# Altium PCB TestMod_SEAx.PcbDoc (part 3 of 3) (continued)
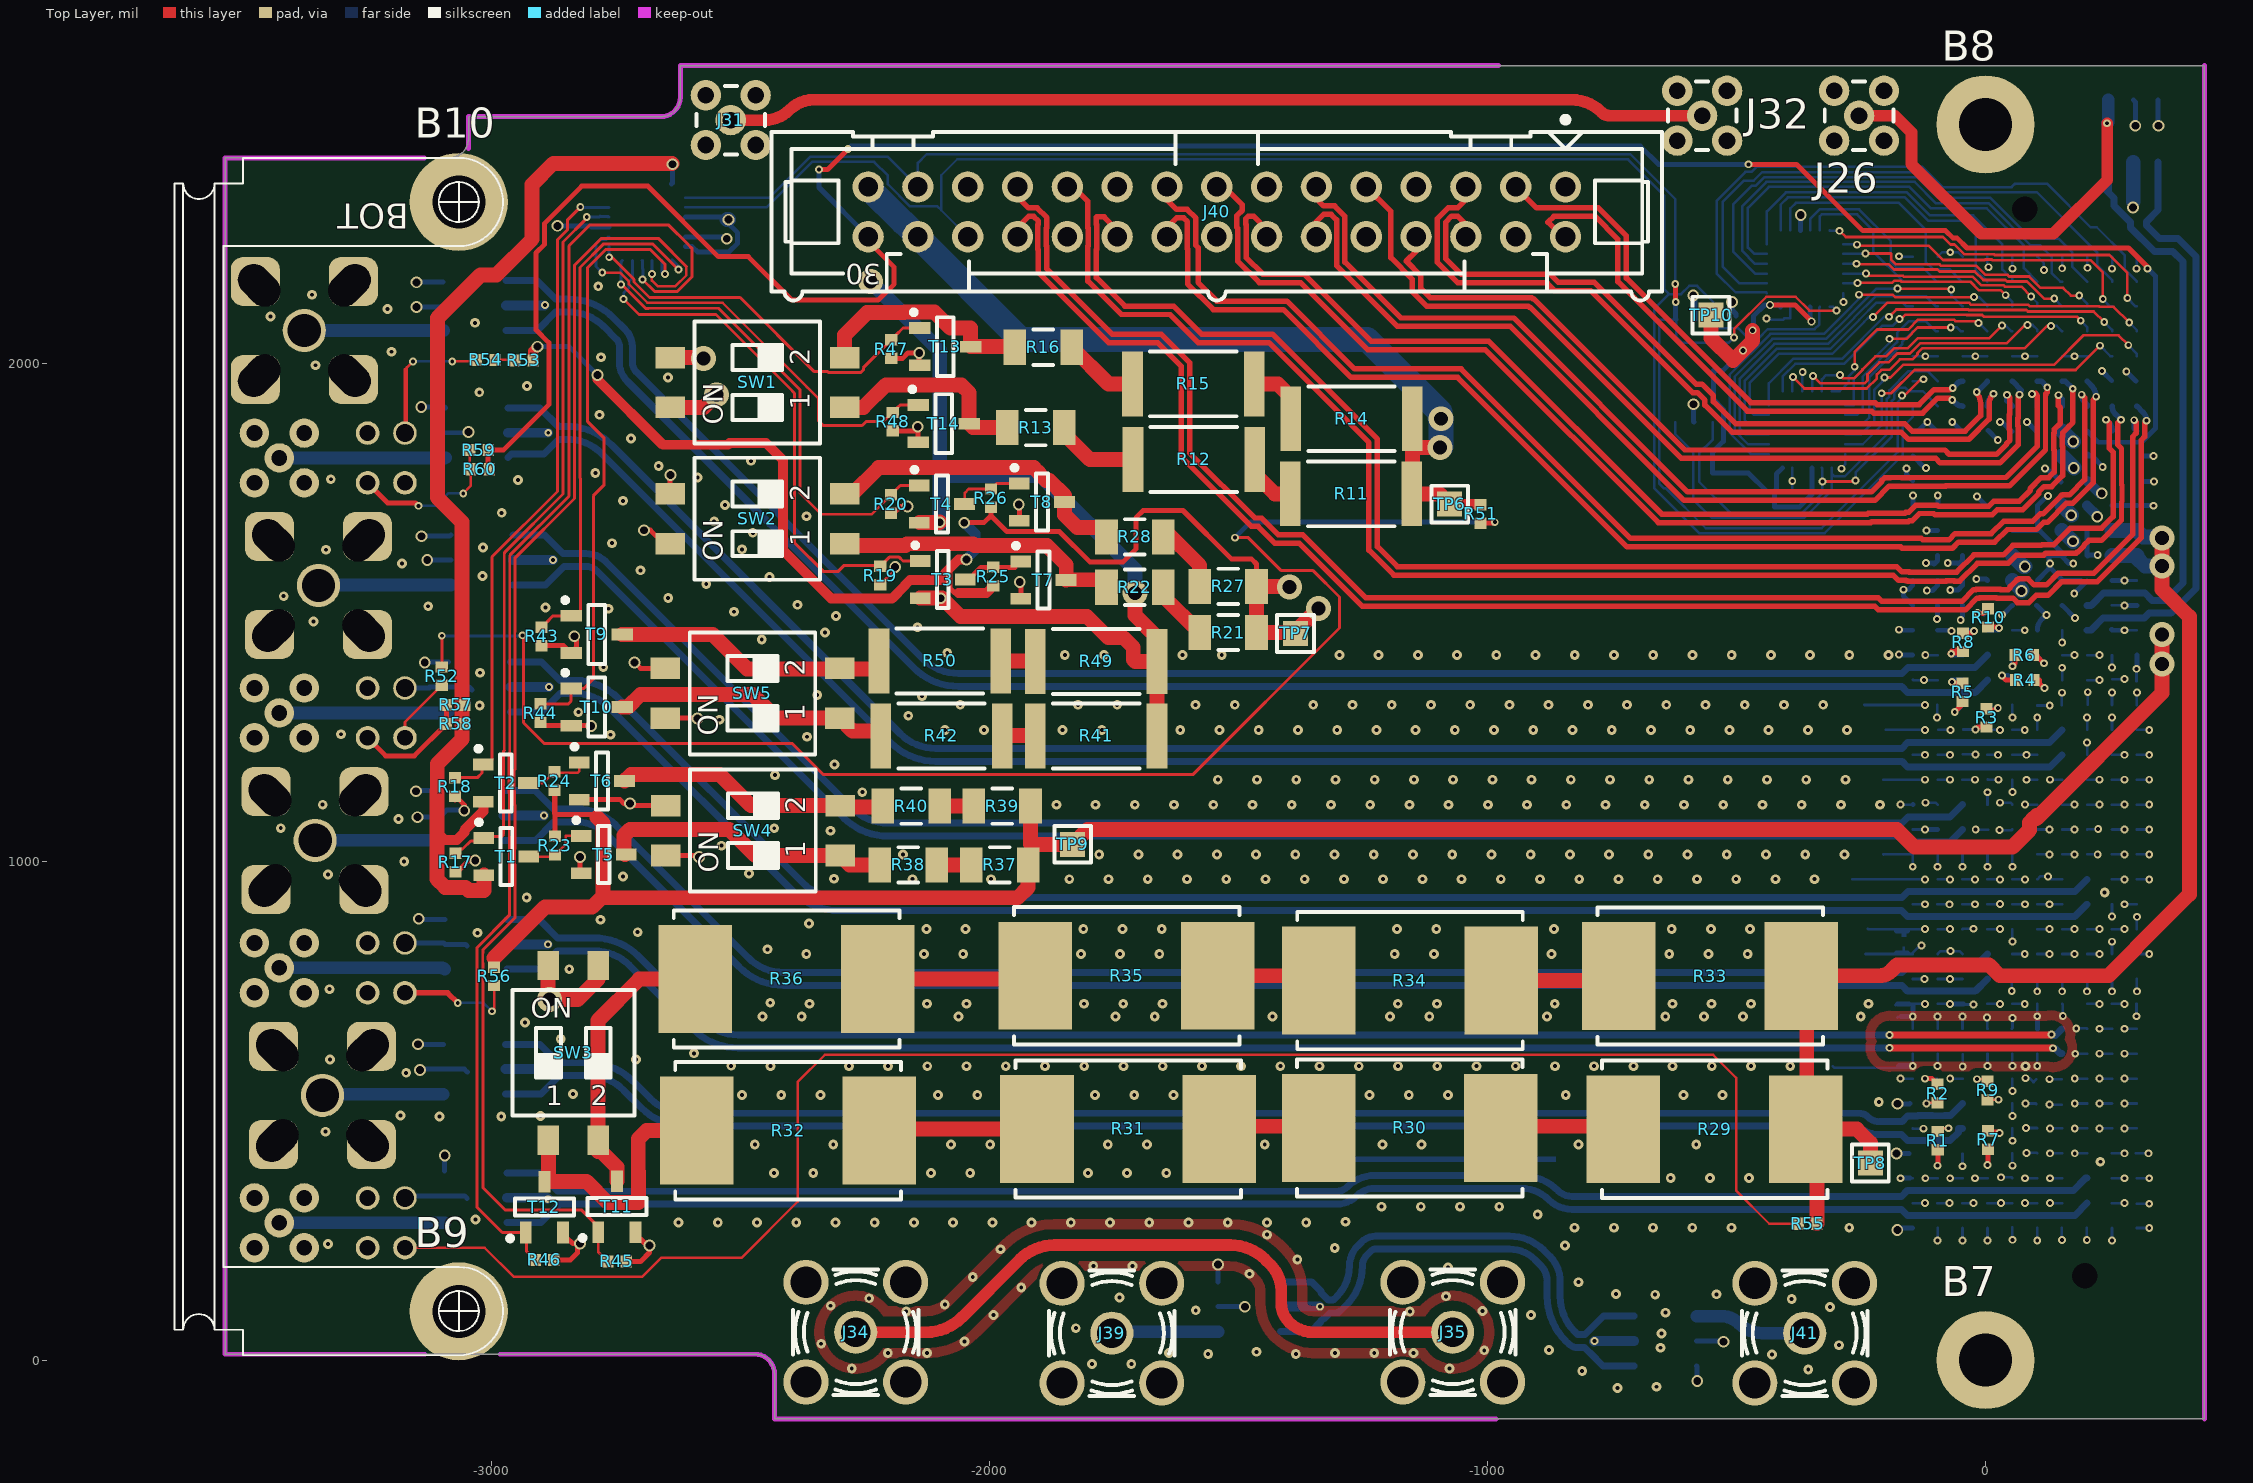
[diagram p0: Top Layer view]
## Nets (pads, with @x,y where several pads share a name; then routed paths per layer and width w, separated by ;. In a path a pad name is that pad's centre, name@x,y a point inside that pad or via, vN(x,y) a via of type N, cw(c..) or ccw(c..) an arc to the next point about the centre after c; other vN are vias at no path point) (continued)
  Top Layer w30: R50.1@-1977.36,1403.54 -1908.46,1403.54 R49.2@-1907.48,1402.56
NetR50_2: R50.2 SW5.2 T9.3 | length 550.8
  Top Layer w30: T9.3@-2737.21,1456.71 -2555.14,1456.71 -2486.22,1387.8 -2237.2,1387.8 R50.2@-2221.46,1403.54
NetR51_2: R51.2 R52.1 | length 3089.1
  Top Layer w6: R52.1@-3099,1391.5 v2(-3099,1454.05) ; v2@-2935.04,1455 -2935.04,1279.6 -2892.82,1237.38 -2394.86,1237.38 -2332.68,1175.2 -1591.54,1175.2 -1297,1469.73 -1297,1532 -1349.79,1584.79 -1413.79,1584.79 -1480,1651 v2(-1507,1651)
  Top Layer w10: R51.2@-1013.78,1680.31 -987.01,1680.31 v2(-985.24,1682.09)
  Bottom Layer w6: v2(-3099,1454.05) -2937.95,1454.05 v2(-2937,1455)
  Bottom Layer w10: v2(-1507,1651) -1475.91,1682.09 v2(-985.24,1682.09)
NetR53_2: R53.2 R54.2 | length 38.8
  Top Layer w5: R54.2@-2992.32,2007.87 R53.2@-2953.54,2007.87
P3V3: C45.2 C46.2 C47.2 IC1.4 IC2.18 IC2.21 IC2.24 IC3.21 IC3.24 IC4.21 IC4.24 IC5.4 J22.c30 J22.c31 R41.1 R49.1 R57.2 R58.2 T1.2 T2.2 T3.2 T4.2 TP10.1 | length 5483.2
  Top Layer w10: v5(-433,2118) -382.37,2118 v5(-349.63,2085.26)
  Top Layer w20: -3098.08,1049 -3093.02,1043.94 -3068.93,1043.94 -3053.81,1059.05 -3053.81,1063.68 -3015.75,1101.74 T2.2@-3015.75,1121.06
  Top Layer w30: T1.2@-3014.77,973.42 -3014.77,943 -3045.27,943 -3051.36,949.09 -3092.34,949.09 -3108.84,965.59 -3108.84,1142.17 -3108.19,1142.82 -3108.19,1196.81 -3058.61,1246.39 -3058.61,1682.16 -3107.89,1731.44 -3107.89,2092.11 -3021.5,2178.5 -2989.5,2178.5 -2917.69,2250.31 -2917.69,2360.01 -2875.13,2402.56 v3@-2636.81,2402.56 ; T4.2@-2140.36,1681.1 -2100.4,1681.1 v3(-2099.41,1682.09) ; T3.2@-2138.78,1529.53 v3(-2097.44,1529.53) -2094.55,1529.53 -2058.13,1493.11 -1804.13,1493.11 -1761.13,1450.11 -1730.11,1450.11 -1711,1431 -1711,1406.56 -1707,1402.56 R49.1@-1663.39,1402.56 ; v4(-1707.68,1539.58) -1707.68,1495.08 -1663.39,1450.79 R49.1@-1663.39,1402.56 ; R41.1@-1663.39,1252.95 R49.1@-1663.39,1402.56 ; TP10.1@-551.18,2097.82 -551.18,2051.54 -506.71,2007.07 -467.52,2046.26 v5(-467.52,2067.33)
  Bottom Layer w10: IC2.18@-2637.8,2361.22 -2636,2363.02 v3(-2636,2400.59) ; IC2.24@-2610.24,2235.24 -2596.46,2235.24 -2585.55,2224.33 -2522.82,2224.33 -2505.19,2241.97 -2505.19,2263.05 v3@-2527.57,2285.43 ; IC2.21@-2610.24,2294.29 -2536.43,2294.29 v3@-2529.04,2286.9 ; v5(-487.2,2026.57) -527.56,1986.22 IC1.4@-546.26,1986.22 -546.26,1928.51 -526.42,1908.67 -526.42,1844.45 -548.23,1822.64 IC5.4@-548.23,1780.51 -475.93,1780.51 -439.52,1744.09 C46.2@-424.21,1744.09 ; v5(-467.52,2067.33) -465.55,2069.29 C45.2@-465.55,2096.46 -444.01,2118 v5(-433,2118) -417.25,2118 -416.25,2119 IC4.24@-411.42,2114.17 ; IC3.24@-407.48,1791.34 -420,1778.82 -420,1748.31 C46.2@-424.21,1744.09 ; IC4.21@-352.36,2114.17 -352.36,2087.99 v5(-349.63,2085.26) ; IC3.21@-348.43,1791.34 -348.43,1737.95 -373.37,1713 -424.21,1713 C46.2@-424.21,1744.09
  Bottom Layer w20: J22.c30@203.74,1715.16 224.03,1694.86 v3(224.03,1692.91) ; J22.c31@203.74,1765.16 228.9,1740 v3(233,1740)
  Bottom Layer w30: v3@-2526.57,2289.37 v3(-2523.62,2289.37) ; v4(-2238.19,2165.35) -2099.41,2026.57 -2099.41,1775.59 ; v3@-2097.44,1680.12 v3(-2099.41,1682.09) -2099.41,1775.59 ; v4(-1707.68,1539.58) -1707.68,1586.82 -1896.44,1775.59 -2099.41,1775.59
P3V3_MP: J22.c33 J40.30 R59.2 R60.2 | length 4990.7
  Top Layer w10: R60.2@-3004.13,1788.39 -3006.1,1790.35 R59.2@-3006.1,1826.77 -2975.41,1826.77 -2884.13,1918.05 -2884.13,2042.43 -2909.87,2068.17 -2909.87,2222.77 -2892.69,2239.96 -2892.69,2282.16 -2818.32,2356.53 -2685.27,2356.53 -2543.9,2215.16 -2483.86,2215.16 -2396.65,2127.95 -2222.97,2127.95 -2190.94,2159.98 -2190.94,2193.9 -2243.31,2246.26 J40.30@-2243.31,2255.11 ; v2(-2342,2390) -2324.58,2390 v2(-2283.46,2431.12) ; v2(-476,2400.5) -379.5,2400.5 -246.35,2267.35 -80.35,2267.35 -65.18,2252.18 -57.18,2252.18 -37.48,2232.48 286.89,2232.48 325,2194.37 v2(325,2191)
  Bottom Layer w10: v2(-2342,2390) -2342,2353.81 J40.30@-2243.31,2255.11 ; v2(-2283.46,2431.12) -2277.58,2437 -693,2437 -656.5,2400.5 v2(-476,2400.5) ; J22.c33@203.74,1865.16 226.34,1842.56 313.1,1842.56 341.09,1870.55 341.09,2175.91 v2@325,2192
P6V0A: J22.a28 J22.a29 J22.b28 J22.b29 R29.1 R33.1 R55.2 TP8.1 | length 2500.9
  Top Layer w30: R55.2@-338.78,273.82 -338.78,438.19 R29.1@-364.17,463.58 ; TP8.1@-231.3,395.67 -231.3,436.4 -258.48,463.58 R29.1@-360.93,463.58 R29.1@-364.17,463.58 ; v4@354.33,1638.78 v4(354.33,1594.49) 354.33,1547.1 409,1492.43 409,935.03 300.67,826.7 300.67,825.45 246.87,771.65 28.57,771.65 7.19,793.03 -177.97,793.03 -188.98,782.02 cw(c-214,807.03) -214,771.65 -365.16,771.65 -359,765.5 -359,468.76 R29.1@-364.17,463.58
  Bottom Layer w30: J22.b28@253.74,1615.16 J22.a28@303.74,1615.16 303.74,1610.3 319.55,1594.49 v4(354.33,1594.49) ; J22.b29@253.74,1665.16 J22.a29@303.74,1665.16 316.34,1652.56 v4@354.33,1652.56
  other v4: 354.33,1650.65
P12V0A: J22.d29 J22.d30 J40.28 J40.29 R11.1 R14.1 R51.1 TP6.1 | length 1821.2
  Top Layer w20: TP6.1@-1075.79,1718.5 -1016.63,1718.5 cw(c-1016.63,1714.47) R51.1@-1013.78,1717.32
  Top Layer w30: R14.1@-1150.59,1889.76 R14.1@-1150.59,1844.43 ; v4(-1095.47,1831.69) -1137.85,1831.69 R14.1@-1150.59,1844.43 ; TP6.1@-1075.79,1718.5 -1096.26,1738.98 R11.1@-1151.57,1738.98 -1150.59,1739.96 R14.1@-1150.59,1844.43
  Bottom Layer w30: J22.d29@153.74,1665.16 v3(175.2,1643.7) ; J22.d30@153.74,1715.16 172,1696.9 v3(172,1696)
  Bottom Layer w50: J40.29@-2243.31,2355.11 -2243.31,2354 -2172.92,2283.62 -2171.81,2283.62 J40.28@-2143.31,2255.11 -1937.19,2049 -1241.43,2049 -1095.47,1903.05 -1095.47,1891.73 v4(-1093.5,1889.76) v4@-1093.5,1833.66
SCL1: IC1.1 IC2.19 IC4.19 J22.k35 J40.27 | length 3957.2
  Top Layer w5: v2(-505,2053) -505,2069.74 -440.37,2134.37 -381.07,2134.37 -353.69,2107 v2(-299,2107)
  Top Layer w5.3: v2(-167.57,1936.3) -163.11,1936.3 -130.41,1969 v2(-125,1969)
  Top Layer w10: v2(-623.03,2160.43) -622.05,2159.45 v2(-622.05,2124.34)
  Bottom Layer w5: IC2.19@-2610.24,2333.66 -2441.48,2333.66 -2359.77,2415.37 -2203.57,2415.37 J40.27@-2143.31,2355.11 -2143.31,2403.19 -2125.88,2420.62 -713.01,2420.62 -623.03,2330.64 v2(-623.03,2160.43) ; v2(-505,2053) -516.05,2041.95 -607.9,2041.95 -621.06,2055.12 IC1.1@-621.06,2088.58 -655,2088.58 -655,1759.07 -646.42,1750.49 -642.34,1750.49 -561.85,1670 -329.16,1670 -176.36,1822.8 -176.36,1923.24 -167.57,1932.03 v2(-167.57,1936.3) ; IC4.19@-312.99,2114.17 -306.17,2114.17 v2(-299,2107) ; J22.k35@-146.26,1965.16 -128.84,1965.16 v2(-125,1969)
  Bottom Layer w10: v2(-622.05,2124.34) -622.05,2089.57 IC1.1@-621.06,2088.58
SCL2: IC3.19 IC5.1 J22.j35 | length 891.7
  Bottom Layer w5: IC5.1@-623.03,1882.87 -623.03,1859.25 -587.06,1823.28 -587.06,1727.81 -549.75,1690.5 -364.05,1690.5 -309.06,1745.5 IC3.19@-309.06,1780.06 ; IC3.19@-309.06,1791.34 IC3.19@-309.06,1780.06 ; J22.j35@-96.26,1965.16 -116.36,1985.26 -154.59,1985.26 -193.25,1946.59 -193.25,1934.63 -198.21,1929.67 -198.21,1858.65 -282.77,1774.08 -303.08,1774.08 IC3.19@-309.06,1780.06
SDA1: IC1.3 IC2.20 IC4.20 J22.k34 J40.26 | length 3981.1
  Bottom Layer w5: IC2.20@-2610.24,2313.98 -2447.02,2313.98 -2355.63,2405.37 -2231.37,2405.37 -2203.74,2377.74 -2203.74,2360.4 -2159.46,2316.12 -2104.31,2316.12 -2096.46,2308.27 ; J40.26@-2043.31,2255.11 -2096.46,2308.27 ; IC4.20@-332.68,2114.17 -333.82,2113.03 -333.82,2079.32 -343.26,2069.88 -437.26,2069.88 -455.19,2051.95 -476.95,2051.95 -496.74,2071.74 -542.74,2071.74 -546.26,2075.26 IC1.3@-546.26,2088.58 -546.26,2123.57 -579,2156.31 -595,2156.31 -611.31,2140 -635.73,2140 ; J22.k34@-146.26,1915.16 -146.26,1893.58 -166.36,1873.48 -166.36,1816.64 -323,1660 -575.11,1660 -665,1749.89 -665,2110.73 -635.73,2140 ; -2096.46,2308.27 -2096.46,2378.54 -2064.38,2410.62 -717.15,2410.62 -717.15,2409.2 -644.69,2336.74 -644.69,2148.96 -635.73,2140
SDA2: IC3.20 IC5.3 J22.j34 | length 853.7
  Top Layer w5.3: v2(-327.76,1763.78) -263.22,1763.78 v2(-261,1766)
  Bottom Layer w5: IC5.3@-548.23,1882.87 -548.23,1847.44 -575,1820.67 -575,1763.21 -512.29,1700.5 -368.2,1700.5 -327.76,1740.94 v2(-327.76,1763.78) -327.76,1790.35 IC3.20@-328.74,1791.34 ; v2(-261,1766) -261,1781.72 -188.21,1854.51 -188.21,1925.53 -183.25,1930.49 -183.25,1942.36 -173.94,1951.67 -161.2,1951.67 -154.59,1945.06 -126.16,1945.06 J22.j34@-96.26,1915.16
SW1: IC2.1 R43.1 T9.1 | length 1047
  Top Layer w6: R43.1@-2898.62,1471.28 -2897.84,1471.28 -2889.42,1479.7 -2889.42,1480.48 -2875.79,1494.11 -2830.08,1494.11 -2820.84,1503.35 -2820.84,1769.83 -2821.61,1770.61 -2821.61,2193.4 -2774.13,2240.87 -2675.87,2240.87 v2(-2624,2189)
  Bottom Layer w6: IC2.1@-2637.8,2207.68 -2636.81,2208.66 -2624,2195.85 v2(-2624,2189)
SW2: IC2.2 R44.1 T10.1 | length 1228
  Top Layer w6: R44.1@-2901,1317.5 -2844.92,1317.5 -2839.57,1322.85 T10.1@-2839.57,1348.44 -2813.96,1348.44 -2795,1367.4 -2795,1735 -2773,1757 -2773,1850.73 -2806.23,1883.96 -2806.23,2193.22 -2769.58,2229.87 -2680.87,2229.87 -2651,2200 v2(-2651,2180.2)
  Bottom Layer w6: IC2.2@-2657.48,2207.68 -2657.48,2183.59 -2651.57,2177.68 v2(-2651,2180.2)
SW3: IC2.3 R45.1 T11.1 | length 2686.7
  Top Layer w5: v2(-2677.17,2180.12) -2677.17,2167.17 -2666,2156 -2630,2156 -2608.13,2177.87 -2608.13,2195.58
  Top Layer w5.3: -3016.75,797.21 -3016.75,816.96
  Top Layer w5.35: -2952.56,995.38 -2952.56,1026.28
  Top Layer w5.37: -2952.56,1448.11 -2952.56,1461.89
  Top Layer w6: -3016.75,797.21 -3016.75,346.75 -2971,301 -2818,301 -2784.98,267.98 T11.1@-2784.98,257.13 -2784.98,216.98 R45.1@-2766.08,198.08 ; -3016.75,816.96 -3016.75,823.4 -2952.56,887.59 -2952.56,995.38 ; -2952.56,1026.28 -2952.56,1114 -2953.04,1114.48 -2953.04,1142.51 -2953.87,1143.34 -2953.87,1184.69 -2952.56,1186 -2952.56,1448.11 ; -2952.56,1461.89 -2952.56,1609.91 -2832.61,1729.86 -2832.61,2197.95 -2778.69,2251.87 -2664.42,2251.87 -2608.13,2195.58 ; T11.1@-2784.45,257.56 T11.1@-2780.93,254.05
  Bottom Layer w6: v2(-2677.17,2180.12) IC2.3@-2677.17,2207.68
SW4: IC2.4 R46.1 T12.1 | length 2691
  Top Layer w5.05: -2963.56,1050.84 -2963.56,1138.15 -2964.39,1138.98 -2964.39,1217.49 -2963.08,1218.8 -2963.08,1614.24 -2961.39,1615.94 -2961.39,1616.64
  Top Layer w5.92: v2(-2696,2169.4) -2672.14,2145.54 -2625.67,2145.54 -2597.17,2174.04 -2597.17,2231.95 -2604,2238.78
  Top Layer w6: -2963.56,1050.84 -2963.56,892.86 -3028.86,827.56 -3028.86,307.4 -2977.6,256.15 T12.1@-2930.45,256.15 -2929,254.7 -2929,218.48 R46.1@-2911.55,201.03 ; -2961.39,1616.64 -2843.61,1734.42 -2843.61,2236.94 -2801.42,2279.13 -2644.35,2279.13 -2604,2238.78
  Bottom Layer w6: IC2.4@-2696.85,2207.68 -2695.74,2206.57 -2695.74,2190.65 -2694.88,2189.79 -2694.88,2170.51 v2(-2696,2169.4)
SW5: IC2.5 R19.1 T3.1 | length 1097.6
  Top Layer w5.61: v2(-2734,2130) -2702.83,2098.83 -2548.95,2098.83 -2396.28,1946.16
  Top Layer w6: -2396.28,1946.16 -2390.8,1940.69 -2390.8,1640.92 -2332.58,1582.69 -2304,1582.69 -2291.22,1595.47 -2217.03,1595.47 -2200.69,1611.81 -2180.79,1611.81 -2173.31,1604.33 T3.1@-2138.78,1604.33
  Bottom Layer w5.61: v2(-2734,2130) -2734,2141.83 -2723.32,2152.51 -2723.32,2165.38 -2716.54,2172.17
  Bottom Layer w6: -2716.54,2172.17 IC2.5@-2716.54,2207.68
SW6: IC2.6 R20.1 T4.1 | length 985.3
  Top Layer w5.61: -2684.53,2111.47 -2543.47,2111.47 -2380,1948 -2380,1741 -2336.83,1697.83 -2236.61,1697.83 R20.1@-2197.44,1737.01
  Top Layer w6: v2(-2739,2159) -2737.85,2159 -2690.32,2111.47 -2684.53,2111.47 ; R20.1@-2197.44,1737.01 -2196.65,1737.01 -2188.24,1745.42 -2188.24,1746.21 -2178.54,1755.9 T4.1@-2140.36,1755.9
  Bottom Layer w6: v2(-2739,2159) -2739,2204.9 IC2.6@-2736.22,2207.68
SW7: IC2.7 R47.1 T13.1 | length 783.7
  Top Layer w6: v2(-2763,2214) -2757.41,2214 -2713.13,2169.72 -2713.13,2164.08 -2682.09,2133.04 -2500.04,2133.04 -2351.29,1984.29 -2324.54,1984.29 -2323.2,1982.94 -2257.51,1982.94 -2252.83,1987.63 -2252.83,1992.06 R47.1@-2196.85,2048.03 -2196.06,2048.03 -2187.65,2056.45 -2187.65,2057.24 -2173.03,2071.85 T13.1@-2139.76,2071.85
  Bottom Layer w6: IC2.7@-2763.78,2235.24 -2763,2234.46 v2(-2763,2214)
SW8: IC2.8 R48.1 T14.1 | length 903.3
  Top Layer w5: v2(-2777,2183) -2741.26,2183 -2723.63,2165.37 -2723.63,2159.73 -2686.44,2122.54 -2535.2,2122.54 -2366.02,1953.36
  Top Layer w6: -2366.02,1953.36 -2343,1930.34 -2343,1885.43 -2333.57,1876 -2255.29,1876 -2247,1884.29 -2212.76,1884.29 -2194.69,1902.36 R48.1@-2193.9,1902.36 -2193.11,1902.36 -2184.7,1910.78 -2184.7,1911.57 -2178.94,1917.32 T14.1@-2142.72,1917.32
  Bottom Layer w6: v2(-2777,2183) -2789.5,2195.5 -2789.5,2241 -2781.35,2249.14 -2769.56,2249.14 IC2.8@-2763.78,2254.92
SW9: IC2.10 R17.1 T1.1 | length 1466.7
  Top Layer w5: -2973.61,1223.87 -2973.23,1224.24 -2973.23,1618.94 -2972.85,1619.32
  Top Layer w6: R17.1@-3071.85,1017.52 -3063.44,1025.94 -3057.33,1025.94 -3040.92,1042.35 -3020.65,1042.35 T1.1@-3014.77,1048.23 -3012.28,1050.71 -2979.95,1050.71 -2974.92,1055.75 -2974.92,1222.56 -2973.61,1223.87 ; -2972.85,1619.32 -2972.85,1621.55 -2855.87,1738.53 -2855.87,2244.55 -2808,2292.43 v2(-2808,2295)
  Bottom Layer w6: v2(-2808,2295) -2782.93,2295 -2781.67,2296.26 -2780.81,2295.4 -2764.89,2295.4 IC2.10@-2763.78,2294.29
SW10: IC2.11 R18.1 T2.1 | length 1338.7
  Top Layer w6: R18.1@-3072.84,1169.09 -3027.76,1169.09 -3018.28,1178.57 -3018.28,1193.33 T2.1@-3015.75,1195.86 -3006.89,1195.86 -2998.08,1204.68 -2998.08,1612.59 -2866.87,1743.79 -2866.87,2249.11 -2847.19,2268.79 -2847.19,2288.28 v2(-2821,2314.47)
  Bottom Layer w6: v2(-2821,2314.47) -2820.51,2313.98 IC2.11@-2763.78,2313.98
TEST_SMA_N: C25.1 C44.1 TR21.6 TR22.4 | length 952.8
  Bottom Layer w14: TR21.6@-1415.75,157.28 -1353,157.28 -1334.61,138.9 -1334.61,135.9 -1319,120.28 -1310,120.28 -1302.26,128.03 ccw(c-1363.23,189) -1277,189 cw(c-1219.62,189) -1260.19,229.58 -1252.38,237.38 cw(c-1224.34,209.34) -1224.34,249 -955.7,249 cw(c-955.7,151.3) -886.62,220.38 -875.05,208.82 cw(c-925.87,158) -854,158 -854,127.81 ccw(c-754,127.81) -824.71,57.1 -819,51.39 -803.9,51.39 -766.9,88.39 TR22.4@-705.32,88.39
TEST_SMA_P: C23.1 C24.1 TR21.4 TR22.6 | length 962.7
  Bottom Layer w14: TR21.4@-1415.75,57.28 -1354.43,57.28 -1334.61,77.1 -1334.61,78.67 -1329.28,84 -1326.89,84 -1316.6,94.28 -1310,94.28 ; -1299.23,94.28 -1310,94.28 ; TR22.6@-705.32,-11.61 -767.67,-11.61 -794.67,15.39 -795.11,15.39 -805.11,25.39 -819,25.39 cw(c-819,51.39) -837.38,33 -843.1,38.71 cw(c-754,127.81) -880,127.81 -880,158 ccw(c-925.87,158) -893.44,190.44 -905,202 ccw(c-955.7,151.3) -955.7,223 -1224.34,223 ccw(c-1224.34,209.34) -1234,219 -1241.81,211.19 ccw(c-1219.62,189) -1251,189 cw(c-1363.23,189) -1283.87,109.64 -1291.62,101.9 cw(c-1310,120.28) -1310,94.28
VCM1: J22.f30
VCM2: J22.g29
pads on no net: IC1.5 IC2.12 IC2.13 IC2.14 IC2.15 IC2.16 IC2.17 IC2.22 IC2.25 IC3.22 IC3.25 IC4.22 IC4.25 IC5.5 J22.1 J22.2 J22.b31 J22.b32 J22.e31 J22.e32 J22.f32 J22.g28 J22.h29 J22.h30 J22.k28 J22.k29 LD3.2 LD5.2

## Polygon pours and split planes (outlines as drawn)
GND on Bottom Layer "Bottom Layer-GND" (solid, pour order 191): 22 vertices, not listed, extent -1229.32,288.78 -910.66,297.95
GND on Bottom Layer "Bottom Layer-GND 1" (solid, remove dead copper, pour order 189): 798 vertices, not listed, extent -3494.55,-66.49 256.49,432.74
GND on Bottom Layer "Bottom Layer-GND 2" (solid, remove dead copper, pour order 187): 406 vertices, not listed, extent -3421.83,393.51 6.49,688.84
GND on Bottom Layer "Bottom Layer-GND 3" (solid, pour order 185): -2918.8,584.23 -2919.44,583.97 -2918.3,583.49 -2917.57,582.94 -2917.54,582.97
GND on Bottom Layer "Bottom Layer-GND 4" (solid, pour order 183): 168 vertices, not listed, extent 84.15,562.49 206.49,717.83
GND on Bottom Layer "Bottom Layer-GND 5" (solid, remove dead copper, pour order 181): 268 vertices, not listed, extent -3494.55,579.15 -145.15,939.6
GND on Bottom Layer "Bottom Layer-GND 6" (solid, remove dead copper, pour order 179): 694 vertices, not listed, extent -3494.55,693.51 256.49,1456.14
GND on Bottom Layer "Bottom Layer-GND 7" (solid, remove dead copper, pour order 177): 667 vertices, not listed, extent -3494.55,992.95 206.49,1966.51
GND on Bottom Layer "Bottom Layer-GND 8" (solid, remove dead copper, pour order 175): 396 vertices, not listed, extent -3458.28,1293.51 56.49,2221.87
GND on Bottom Layer "Bottom Layer-No Net" (solid, pour order 69): -3494.32,2216.18 -3066.82,2216.18 -3066.82,2369.63 -3494.32,2369.63
GND on Bottom Layer "Bottom Layer-No Net" (solid, pour order 67): -3487.83,17.63 -3058.33,17.63 -3058.33,173.18 -3487.83,173.18
GND on Top Layer "Top Layer-GND" (solid, pour order 173): 329 vertices, not listed, extent -2351.25,-27.15 -986.63,283.05
GND on Top Layer "Top Layer-GND 1" (solid, pour order 171): 160 vertices, not listed, extent -240.85,578.15 183.43,701.94
GND on GND (split plane): 61 vertices, not listed, extent -3513.9,-98.01 418.88,2578.33
GND on Power (split plane): 123 vertices, not listed, extent -3513.9,-98.01 418.88,2578.33
P3V3 on Power (split plane): 79 vertices, not listed, extent -2967.34,1642.72 338.9,2578.33
N6V0A on Power (split plane): 25 vertices, not listed, extent 46.36,1363.37 383.04,1609.08
P12V0A on Power (split plane): 32 vertices, not listed, extent -1138.21,1622.3 198.64,1927.97
N12V0A on Power (split plane): 37 vertices, not listed, extent -1471.28,1481.48 212.74,2032.81

## Keep-outs
Keep-Out Layer:
  lines w10: -3134,2413.39 -3534,2413.39 -3534,11.81 -3132.32,11.81 ; -3045.28,2432.6 -3045.28,2496.06 -2659.45,2496.06 ccw(c-2659.45,2535.43) -2620.08,2535.43 -2620.08,2598.42 -977.32,2598.42 ; -2982,11.81 -2470.47,11.81 cw(c-2470.47,-27.56) -2431.1,-27.56 -2431.1,-118.11 -982.32,-118.11 ; 438.97,-118.11 438.97,2598.42

## Other copper
Top Layer:
  pour cut-out: 268 vertices and 0 holes, not listed, extent -2331.38,-7.28 -1006.5,263
  pour cut-out: 133.92,681.51 135.88,681.51 138.95,680.9 141.91,679.67 146.11,677.94 148.71,676.2 151.45,673.45 154.2,670.71 155.94,668.11 157.16,665.14 158.9,660.95 159.51,657.88 159.51,654 159.51,650.12 158.9,647.05 157.67,644.09 157.3,643.19 157.77,642.71 159.52,640.11 160.74,637.14 162.48,632.95 163.09,629.88 163.09,626 163.09,622.12 162.48,619.05 161.25,616.09 159.52,611.89 157.77,609.29 155.03,606.55 152.29,603.8 149.69,602.06 146.72,600.84 142.53,599.1 139.46,598.49 135.58,598.49 131.7,598.49 128.63,599.1 126.46,600 -186.56,600 -189.12,599.49 -193,599.49 -196.88,599.49 -199.95,600.1 -202.91,601.33 -207.11,603.06 -209.71,604.8 -212.45,607.55 -215.2,610.29 -216.94,612.89 -218.16,615.86 -219.9,620.05 -220.51,623.12 -220.51,627 -220.51,630.88 -219.9,633.95 -218.67,636.91 -218.52,637.29 -217.4,640 -218.16,641.86 -219.9,646.05 -220.51,649.12 -220.51,653 -220.51,656.88 -219.9,659.95 -218.67,662.91 -216.94,667.11 -215.2,669.71 -212.45,672.45 -209.71,675.2 -207.11,676.94 -204.14,678.16 -199.95,679.9 -196.88,680.51 -194.92,680.51 -193,680.89 -191.08,680.51 -189.12,680.51 -186.56,680 122.88,680 125.05,680.9 128.12,681.51 130.08,681.51 132,681.89
  text "BOT" at 804.13,2538.39 h40 r180
Bottom Layer:
  drawing of 23 lines, arcs and shapes, not listed
  text "TOP" at 797.24,2432.09 h50
Power (plane layer: these items are gaps in the copper):
  lines w10: -3064.83,2380.99 -3057,2388.82 -3057,2454.81 -3029.95,2481.86 -2972.44,2481.86 -2972.44,2198.43 -2859.65,2085.63 -2239.17,2085.63 -2179.69,2145.12 -1259.29,2145.12 -1161.52,2047.34 -1161.52,2037.91 ; -390,2596 -390,2421 -348,2379 -144,2379 -64,2299 109,2299 188,2378 320,2378 344,2354 344,1694 ; 189.29,1745.15 203.74,1730.7 203.74,1635.51 185.42,1617.2 139.5,1617.2 120.5,1636.2 -738.56,1636.2 -886.9,1784.54 -1143.31,1784.54 ; 198.64,1637.62 288.8,1637.62 344.09,1692.91 ; 257,1448 193.4,1448 ; -1161.52,2037.91 -1476.38,1723.05 -1476.38,1502.95 -1449.8,1476.38 -1279.53,1476.38 -1143.31,1612.6 -1143.31,1784.54 ; -1161.52,2037.91 -829.25,2037.91 -629.92,1838.58 -240.52,1838.58 -191.4,1789.46 58.16,1789.46 138.78,1870.08 198.82,1870.08 217.84,1851.06 217.84,1779.26 189.29,1750.71 189.29,1752 125.58,1752 79.28,1705.71 -661.42,1705.71 -888.78,1933.07 -913.39,1933.07 -1143.31,1933.07 -1143.31,1784.54 ; 193.4,1448 293,1448 332,1487 378,1487 388.13,1476.87 388.13,1442.26 388.13,1385.13 361.27,1358.27 206.73,1358.27 100,1465 53,1465 41.26,1476.74 41.26,1614.17 90.83,1614.17 149,1556 149,1492.4 193.4,1448

## Silkscreen, mask and mechanical layers (free items; w line width, h text height)
Top Overlay:
  circle w3.94: c-3064.96,98.43 r40.35
  circle w3.94: c-3064.96,2324.8 r40.35
  lines w3.94: -3537.4,187.01 -3064.96,187.01 cw(c-3064.96,98.43) -3064.96,9.84 -3498.03,9.84 -3498.03,61.02 -3555.12,61.02 ; -3537.4,187.99 -3537.4,2235.24 ; -3537.4,2236.22 -3064.96,2236.22 ccw(c-3064.96,2324.8) -3064.96,2413.39 -3498.03,2413.39 -3498.03,2362.21 -3555.12,2362.21 ; -3104.33,98.43 -3025.59,98.43 ; -3104.33,2324.8 -3025.59,2324.8 ; -3064.96,59.06 -3064.96,137.8 ; -3064.96,2285.43 -3064.96,2364.17 ; -3618.11,61.02 cw(c-3586.61,61.02) -3555.12,61.02 ; -3618.11,61.02 -3618.11,2362.21 ; -3618.11,61.02 -3635.83,61.02 -3635.83,2362.21 -3618.11,2362.21 ; -3618.11,2362.21 ccw(c-3586.61,2362.21) -3555.12,2362.21 ; -3555.12,61.02 -3555.12,2362.21
  text "BOT" at -3164.96,2321.43 h50 r180
Top Solder:
  lines w40: -2535,2494 -2433.46,2494 ccw(c-2433.46,2555.46) -2390,2512 cw(c-2353.79,2475.79) -2353.79,2527 -816.28,2527 cw(c-816.28,2458.72) -768,2507 ccw(c-753.51,2521.49) -753.51,2501 -627.41,2501 cw(c-627.41,2497.59) -625,2500 ; -634,2500 -587.41,2500 ccw(c-587.41,2503.41) -585,2501 ; -258.87,2495 -195.56,2495 cw(c-195.56,2457.44) -169,2484 -144.07,2459.07 cw(c-161.14,2442) -137,2442 ccw(c-112.86,2442) -129.93,2424.93 -56,2351 ccw(c-53.59,2353.41) -53.59,2350 20,2350 ccw(c20,2470.71) 105.36,2385.36 139,2419
  lines w50: -203,641 135.41,641 cw(c135.41,640.76) 135.58,640.93
Bottom Solder:
  rectangle: 328.54,2417 418,2535
  rectangle: -1424,50 -1353,162
  rectangle: -766,-17 -707,99
  rectangle: -2997,262.56 -2912,392
  rectangle: -2995.63,519.56 -2910.63,649
  rectangle: -2992,771.56 -2907,901
  rectangle: -2996,1028.56 -2911,1158
  rectangle: -2984,1285.56 -2899,1415
  rectangle: -2979,1543.56 -2894,1673
  rectangle: -2994,2052.56 -2909,2182
  rectangle: -2989,1797.56 -2904,1927
  region: -3487.32,2405.63 -3487.32,2230.63 -3072.32,2230.63 -3072.32,2405.63
  region: -3487.32,190.63 -3487.32,15.63 -3072.32,15.63 -3072.32,190.63
  lines w50: 334,1515 357.82,1515 ; 357.82,1525 ccw(c357.82,1573.73) 392.27,1539.27 ; 368,1515 400,1547 ccw(c380.69,1566.31) 408,1566.31 408,2442.86 ccw(c373.86,2442.86) 398,2467
  lines w78.74: -2782.87,1831.05 -2201.17,1249.36 ccw(c-2115.82,1334.71) -2115.82,1214 -206.41,1214 cw(c-206.41,1210.59) -204,1213 ; -2602.38,1865.38 -2135.36,1398.36 ccw(c-2050,1483.71) -2050,1363 -196,1363 ; -2554,640 -336.21,640 ; -2396,763 -203.41,763 ccw(c-203.41,766.41) -201,764 ; -2278,916 -192,916 ; -2159,1067 -199,1067 ; -697.32,314 -198,314 ; -351,641 -192.91,641 ; -221.41,464 cw(c-221.41,460.59) -219,463
  lines w80: -2982,583 -2816,583 cw(c-2816,462.29) -2730.64,547.64 -2702.36,519.36 ccw(c-2617,604.71) -2617,484 -258.21,484 cw(c-258.21,432.79) -222,469 ccw(c-219.59,471.41) -219.59,468 ; -2981,2118 -2849.84,2118 cw(c-2849.84,1997.29) -2764.49,2082.64 cw(c-2840.5,2006.63) -2733,2006.63 ccw(c-2704.93,2006.63) -2724.78,1986.78 -2615,1877 ; -2977,1862 -2863.82,1862 cw(c-2863.82,1741.29) -2778.46,1826.64 -2716,1764.18 ; -2967,1096 -2840,1096 cw(c-2840,975.29) -2754.64,1060.64 -2492.36,798.36 ccw(c-2407,883.71) -2407,763 -2379,763 ; -2955,1352 -2836,1352 cw(c-2836,1231.29) -2750.64,1316.64 -2385.36,951.36 ccw(c-2300,1036.71) -2300,916 -2199,916 ; -2950,834.73 -2797.73,834.73 cw(c-2797.73,714.02) -2712.38,799.38 -2570.4,657.4 ; -2948,1608 -2845,1608 cw(c-2845,1487.29) -2759.64,1572.64 -2289.28,1102.28 ccw(c-2203.93,1187.64) -2203.93,1066.93 -2022.17,1066.93 ccw(c-2022.17,1067.17) -2022,1067 ; -2947,330 ccw(c-2936.35,340.65) -2936.35,325.59 -1314.52,325.59 ccw(c-1314.52,405.52) -1258,349 cw(c-1231.44,322.44) -1231.44,360 -891.22,360 -845.22,314 -700,314 ; -1419,108 -1348.36,108 ccw(c-1348.36,193.36) -1288,133 ccw(c-1324.21,169.21) -1273,169.21 cw(c-1201.09,169.21) -1251.94,220.06 cw(c-1191.73,159.86) -1191.73,245 -966,245 cw(c-966,124.29) -880.64,209.64 cw(c-930.49,159.8) -860,159.8 -860,124.36 ccw(c-774.64,124.36) -835,64 ccw(c-781.89,117.11) -781.89,42 -730,42
Mechanical 1:
  the board outline again, w5
Mechanical 8:
  circle w3.94: c-3064.96,98.42 r53.15
  circle w3.94: c-3064.96,2324.8 r53.15
  circle w3.94: c-3064.96,155.51 r53.15
  circle w3.94: c-3064.96,2381.89 r53.15
  circle w3.94: c0,0 r53.15
  circle w3.94: c0,2480.31 r53.15
  circle w3.94: c-41.34,169.29 r25.59
  circle w3.94: c0,0 r114.17
  circle w3.94: c0,2480.31 r114.17
  circle w3.94: c78.74,2311.02 r25.59
  lines w3.94: -3104.33,98.42 -3064.96,98.42 ; -3104.33,155.51 -3064.96,155.51 ; -3104.33,2324.8 -3064.96,2324.8 ; -3104.33,2381.89 -3064.96,2381.89 ; -3064.96,59.05 -3064.96,98.42 ; -3064.96,116.14 -3064.96,155.51 ; -3064.96,137.79 -3064.96,98.42 ; -3064.96,194.88 -3064.96,155.51 ; -3064.96,2285.43 -3064.96,2324.8 ; -3064.96,2342.52 -3064.96,2381.89 ; -3064.96,2364.17 -3064.96,2324.8 ; -3064.96,2421.26 -3064.96,2381.89 ; -3025.59,98.42 -3064.96,98.42 ; -3025.59,155.51 -3064.96,155.51 ; -3025.59,2324.8 -3064.96,2324.8 ; -3025.59,2381.89 -3064.96,2381.89 ; -80.71,169.29 -41.34,169.29 ; -41.34,129.92 -41.34,169.29 ; -41.34,208.66 -41.34,169.29 ; -39.37,0 0,0 ; -39.37,2480.31 0,2480.31 ; -1.97,169.29 -41.34,169.29 ; 0,-39.37 0,0 ; 0,39.37 0,0 ; 0,2440.94 0,2480.31 ; 0,2519.68 0,2480.31 ; 39.37,0 0,0 ; 39.37,2311.02 78.74,2311.02 ; 39.37,2480.31 0,2480.31 ; 78.74,2271.65 78.74,2311.02 ; 78.74,2350.39 78.74,2311.02 ; 118.11,2311.02 78.74,2311.02 ; 263.78,2216.53 303.15,2216.53 ; 303.15,2177.16 303.15,2216.53 ; 303.15,2255.9 303.15,2216.53 ; 342.52,2216.53 303.15,2216.53
Drill Drawing:
  lines w3.94: -3124.02,27.56 -3084.65,27.56 ; -3084.65,-11.81 -3084.65,27.56 ; -3084.65,66.93 -3084.65,27.56 ; -3045.28,27.56 -3084.65,27.56 ; -2698.82,-55.12 -2659.45,-55.12 ; -2659.45,-94.49 -2659.45,-55.12 ; -2659.45,-15.75 -2659.45,-55.12 ; -2620.08,-55.12 -2659.45,-55.12 ; -2509.84,2507.87 -2470.47,2507.87 ; -2470.47,2468.5 -2470.47,2507.87 ; -2470.47,2547.24 -2470.47,2507.87 ; -2431.1,2507.87 -2470.47,2507.87

## Text inside footprints (layer, text, board x,y; h text height)
J22: Bottom Overlay "1" at 371.56,244.49 h39.37; Bottom Overlay "40" at 293.74,2275.16 h47.24; Bottom Overlay "k" at -138.44,59.49 h39.37; Bottom Overlay "j" at -88.44,59.49 h39.37; Bottom Overlay "g" at 16.56,64.49 h39.37; Bottom Overlay "h" at -36.26,60.16 h39.37; Bottom Overlay "f" at 61.56,54.49 h39.37; Bottom Overlay "a" at 318.74,60.16 h39.37; Bottom Overlay "b" at 268.74,60.16 h39.37; Bottom Overlay "c" at 218.74,60.16 h39.37; Bottom Overlay "d" at 172.92,59.49 h39.37; Bottom Overlay "e" at 111.66,61.05 h39.37; Mechanical 14 "1" at 371.56,244.49 h39.37; Mechanical 14 "40" at 293.74,2275.16 h47.24; Mechanical 14 "k" at -138.44,59.49 h39.37; Mechanical 14 "j" at -88.44,59.49 h39.37; Mechanical 14 "g" at 16.56,64.49 h39.37; Mechanical 14 "h" at -36.26,60.16 h39.37; Mechanical 14 "f" at 61.56,54.49 h39.37; Mechanical 14 "e" at 111.66,61.05 h39.37; Mechanical 14 "d" at 172.92,59.49 h39.37; Mechanical 14 "c" at 218.74,60.16 h39.37; Mechanical 14 "b" at 268.74,60.16 h39.37; Mechanical 14 "a" at 318.74,60.16 h39.37
J40: Top Overlay "30" at -2218.31,2200.11 h40 r180; Mechanical 14 "30" at -2218.31,2200.11 h40 r180
SW1: Top Overlay "1" at -2360.55,1907.6 h39.37 r90; Top Overlay "2" at -2360.55,1997.6 h39.37 r90; Top Overlay "ON" at -2535.55,1877.6 h39.37 r90; Mechanical 14 "1" at -2360.55,1907.6 h39.37 r90; Mechanical 14 "2" at -2360.55,1997.6 h39.37 r90; Mechanical 14 "ON" at -2535.55,1877.6 h39.37 r90
SW2: Top Overlay "ON" at -2535.55,1603.98 h39.37 r90; Top Overlay "2" at -2360.55,1723.98 h39.37 r90; Top Overlay "1" at -2360.55,1633.98 h39.37 r90; Mechanical 14 "ON" at -2535.55,1603.98 h39.37 r90; Mechanical 14 "2" at -2360.55,1723.98 h39.37 r90; Mechanical 14 "1" at -2360.55,1633.98 h39.37 r90
SW3: Top Overlay "ON" at -2920,687 h39.37; Top Overlay "2" at -2800,512 h39.37; Top Overlay "1" at -2890,512 h39.37; Mechanical 14 "ON" at -2920,687 h39.37; Mechanical 14 "2" at -2800,512 h39.37; Mechanical 14 "1" at -2890,512 h39.37
SW4: Top Overlay "ON" at -2544.41,977.99 h39.37 r90; Top Overlay "2" at -2369.41,1097.99 h39.37 r90; Top Overlay "1" at -2369.41,1007.99 h39.37 r90; Mechanical 14 "ON" at -2544.41,977.99 h39.37 r90; Mechanical 14 "2" at -2369.41,1097.99 h39.37 r90; Mechanical 14 "1" at -2369.41,1007.99 h39.37 r90
SW5: Top Overlay "ON" at -2545.39,1253.58 h39.37 r90; Top Overlay "2" at -2370.39,1373.58 h39.37 r90; Top Overlay "1" at -2370.39,1283.58 h39.37 r90; Mechanical 14 "ON" at -2545.39,1253.58 h39.37 r90; Mechanical 14 "2" at -2370.39,1373.58 h39.37 r90; Mechanical 14 "1" at -2370.39,1283.58 h39.37 r90